# KiCad board yeti.kicad_pcb (continued)
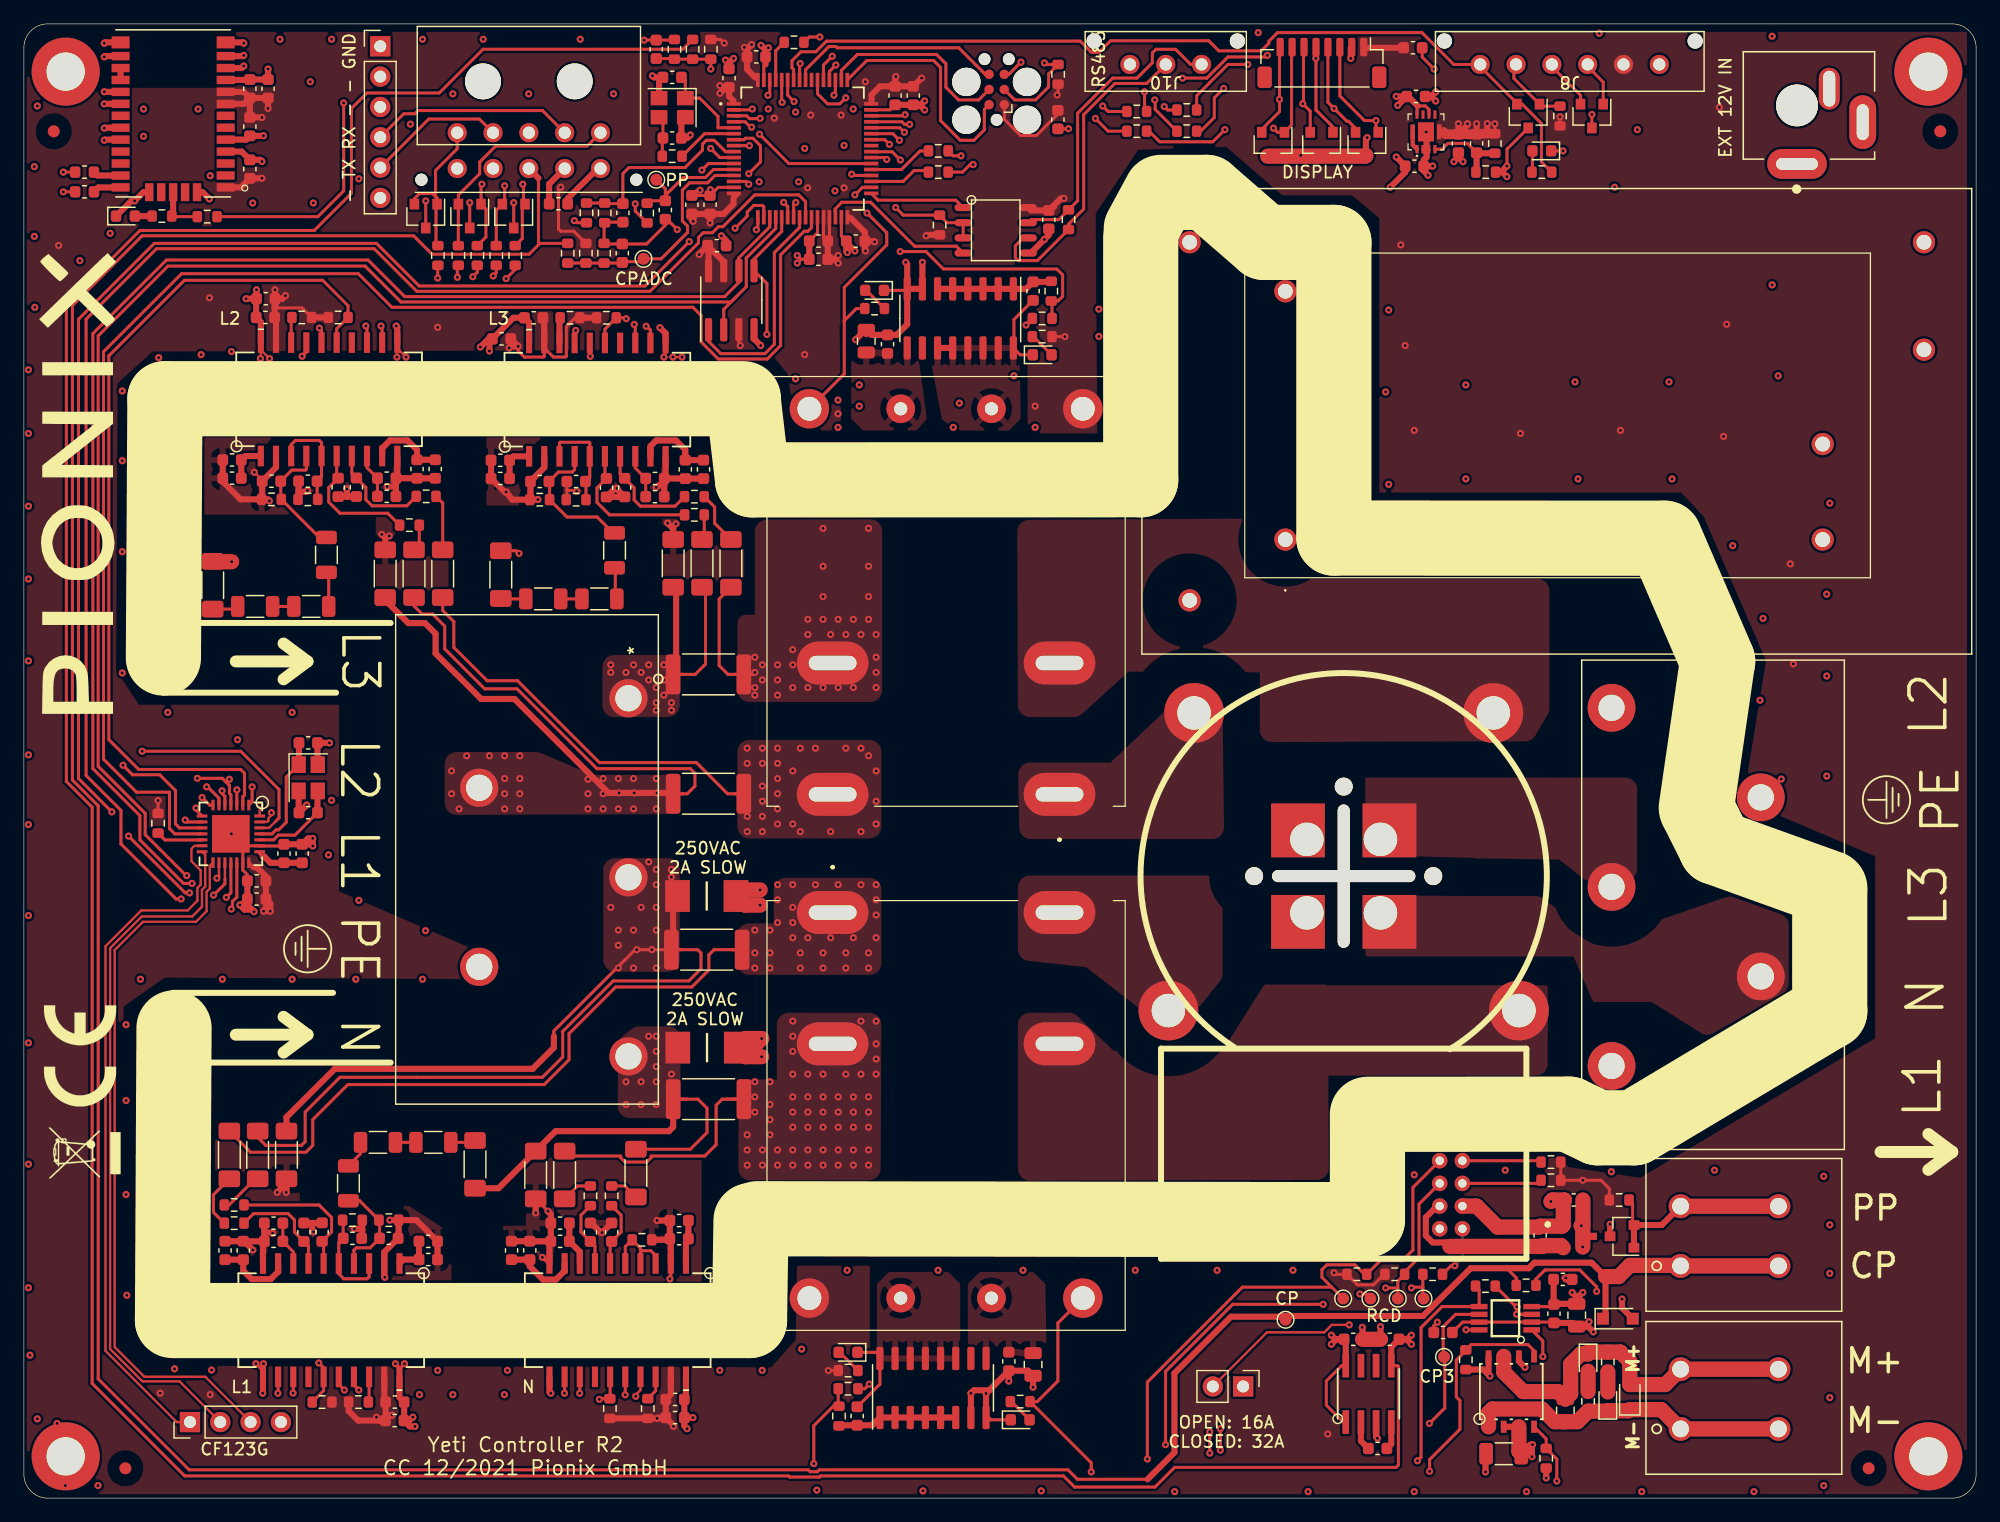
[diagram p0: board, top side]
## Copper pours and planes (outline as drawn; the poured copper is in the pictures) (continued)
/Power Meter/L2_OUT on 5_Signal_Pwr: 71.82,54.66 59.75,54.66 59.75,64.18 71.82,64.18
/Power Meter/L2_OUT on 6_GND: 71.82,54.66 59.75,54.66 59.75,64.18 71.82,64.18
/Power Meter/L2_OUT on 7_Signal_Pwr: 71.82,55.27 59.75,55.27 59.75,64.18 71.82,64.18
/Power Meter/L3_IN on 1_F_TOP_Signal_Pwr: 54.93,65.43 48.45,65.43 48.45,70.63 54.93,70.63
/Power Meter/L3_IN on 8_B_BOTTOM_GND: 54.93,65.43 48.45,65.43 48.45,70.63 54.93,70.63
/Power Meter/L3_IN on 2_GND: 54.93,65.43 48.45,65.43 48.45,71.55 54.93,71.55
/Power Meter/L3_IN on 3_VCC3V3: 54.93,65.43 48.45,65.43 48.45,71.55 54.93,71.55
/Power Meter/L3_IN on 4_GND: 54.93,65.43 48.45,65.43 48.45,71.55 54.93,71.55
/Power Meter/L3_IN on 5_Signal_Pwr: 54.93,65.43 48.45,65.43 48.45,71.55 54.93,71.55
/Power Meter/L3_IN on 6_GND: 54.93,65.43 48.45,65.43 48.45,71.55 54.93,71.55
/Power Meter/L3_IN on 7_Signal_Pwr: 54.93,65.43 48.45,65.43 48.45,71.55 54.93,71.55
/Power Meter/L3_OUT on 1_F_TOP_Signal_Pwr: 71.88,66.7 59.75,66.7 59.75,74 61.22,74 61.22,81.97 71.88,82
/Power Meter/L3_OUT on 8_B_BOTTOM_GND: 71.88,66.7 59.82,66.7 59.81,70.95 64.42,70.95 64.36,81.97 71.88,82
/Power Meter/L3_OUT on 2_GND: 71.88,66.21 59.82,66.21 59.85,73.11 61.52,73.11 61.42,81.97 71.88,82
/Power Meter/L3_OUT on 3_VCC3V3: 71.88,66.21 59.82,66.21 59.81,70.95 64.42,70.95 64.36,81.97 71.88,82
/Power Meter/L3_OUT on 4_GND: 71.88,66.21 59.82,66.21 59.81,70.95 64.42,70.95 64.36,81.97 71.88,82
/Power Meter/L3_OUT on 5_Signal_Pwr: 71.88,66.21 59.82,66.21 59.81,70.95 64.42,70.95 64.36,81.97 71.88,82
/Power Meter/L3_OUT on 6_GND: 71.88,66.21 59.82,66.21 59.81,70.95 64.42,70.95 64.36,81.97 71.88,82
/Power Meter/L3_OUT on 7_Signal_Pwr: 71.88,66.21 59.82,66.21 59.81,70.95 64.42,70.95 64.36,81.97 71.88,82
/Power Meter/N_IN on 1_F_TOP_Signal_Pwr: 54.99,31.83 49.72,31.83 49.78,38.44 51.18,39.52 54.99,39.52
/Power Meter/N_IN on 8_B_BOTTOM_GND: 54.99,35.14 53.47,35.14 53.47,32.22 49.74,32.22 49.78,38.69 51.18,39.77 54.99,39.77
/Power Meter/N_IN on 2_GND: 55.09,32.6 49.82,32.6 49.78,38.44 51.18,39.52 54.99,39.52
/Power Meter/N_IN on 3_VCC3V3: 54.99,35.14 52.83,35.14 52.88,34.12 49.74,34.12 49.78,38.69 51.18,39.77 54.99,39.77
/Power Meter/N_IN on 4_GND: 54.99,35.14 52.83,35.14 52.88,34.12 49.74,34.12 49.78,38.69 51.18,39.77 54.99,39.77
/Power Meter/N_IN on 5_Signal_Pwr: 54.99,35.14 52.83,35.14 52.88,34.12 49.74,34.12 49.78,38.69 51.18,39.77 54.99,39.77
/Power Meter/N_IN on 6_GND: 54.99,35.14 52.83,35.14 52.88,34.12 49.74,34.12 49.78,38.69 51.18,39.77 54.99,39.77
/Power Meter/N_IN on 7_Signal_Pwr: 54.99,35.14 53.44,35.14 53.49,32.28 49.74,32.22 49.78,38.69 51.18,39.77 54.99,39.77
/Power Meter/N_OUT on 1_F_TOP_Signal_Pwr: 71.76,26.63 59.82,26.63 59.88,35.07 63.06,35.07 63.06,40.66 71.82,40.66
/Power Meter/N_OUT on 8_B_BOTTOM_GND: 71.76,26.63 59.94,26.63 59.88,35.07 63.06,35.07 63.06,40.34 71.82,40.34
/Power Meter/N_OUT on 2_GND: 71.76,26.63 59.82,26.63 59.88,35.07 63.06,35.07 63.06,41.19 71.82,41.19
/Power Meter/N_OUT on 3_VCC3V3: 71.76,26.63 59.82,26.63 59.88,35.07 63.06,35.07 63.06,41.19 71.82,41.19
/Power Meter/N_OUT on 4_GND: 71.76,26.63 59.94,26.63 59.88,35.07 63.06,35.07 63.06,41.19 71.82,41.19
/Power Meter/N_OUT on 5_Signal_Pwr: 71.76,26.63 59.83,26.63 59.88,35.07 63.06,35.07 63.06,41.19 71.82,41.19
/Power Meter/N_OUT on 6_GND: 71.76,26.63 59.83,26.63 59.88,35.07 63.06,35.07 63.06,41.19 71.82,41.19
/Power Meter/N_OUT on 7_Signal_Pwr: 71.76,26.63 59.94,26.63 59.88,35.07 63.06,35.07 63.06,40.66 71.82,40.66
/Power Switch Relais/L1_OUT on 1_F_TOP_Signal_Pwr: 100.39,43.58 98.36,41.04 94.04,40.53 88.96,44.47 83.25,45.11 83.25,52.15 100.39,52.15
/Power Switch Relais/L1_OUT on 8_B_BOTTOM_GND: 99.06,32.22 81.53,32.22 81.41,52.12 99.06,52.12
/Power Switch Relais/L1_OUT on 2_GND, 3_VCC3V3, 4_GND: 100.39,43.2 98.11,40.09 93.47,40.15 89.03,44.03 83.31,44.03 83.25,52.66 100.39,52.66
/Power Switch Relais/L1_OUT on 5_Signal_Pwr, 6_GND, 7_Signal_Pwr: 99.06,32.22 81.53,32.22 81.41,52.66 99.06,52.66
/Power Switch Relais/L2_OUT on 1_F_TOP_Signal_Pwr: 100.52,55.2 83.38,55.2 83.25,61.62 91,61.62 95.82,66.19 100.39,66.19
/Power Switch Relais/L2_OUT on 8_B_BOTTOM_GND: 101.36,55.1 81.41,55.22 81.42,74.09 83.07,75.61 101.31,75.57
/Power Switch Relais/L2_OUT on 2_GND, 3_VCC3V3, 4_GND: 100.39,54.57 83.25,54.57 83.25,63.52 93.03,63.52 95.82,66.19 100.39,66.19
/Power Switch Relais/L2_OUT on 5_Signal_Pwr, 6_GND, 7_Signal_Pwr: 102.62,54.56 81.41,54.57 81.41,74.12 102.62,74.14
/Power Switch Relais/L3_OUT on 1_F_TOP_Signal_Pwr: 127.76,65.9 126.3,63.39 120.71,63.39 103.51,63.33 103.51,69.17 92.52,69.24 88.33,65.43 83.25,65.43 83.19,81.95 106.28,82.08 106.66,77 127.76,77.01
/Power Switch Relais/L3_OUT on 2_GND, 3_VCC3V3, 4_GND: 127.7,63.52 111.76,63.49 111.76,60.12 102.36,60.16 102.36,66.19 127.76,66.63
/Power Switch Relais/L3_OUT on 2_GND, 3_VCC3V3, 4_GND: 127.76,65.9 126.05,65.87 120.78,65.68 102.36,65.68 102.3,69.24 96.01,69.24 91.82,65.43 83.25,65.43 83.25,82 103.87,81.95 107.43,77.12 127.76,77.01
/Power Switch Relais/N_OUT on 1_F_TOP_Signal_Pwr: 127.62,35.39 109.25,35.39 109.28,26.66 83.25,26.6 83.25,40.66 87.95,40.66 91.25,37.49 100.39,37.49 104,43.22 108.95,43.22 110.22,40.68 127.62,40.68
/Power Switch Relais/N_OUT on 1_F_TOP_Signal_Pwr: 127.62,42.96 127.62,39.03 108.7,38.9 108.57,42.96
/Power Switch Relais/N_OUT on 2_GND, 3_VCC3V3, 4_GND: 110.11,44.03 111.54,43.52 128.14,43.52 128.14,39.03 101.85,41.49 103.51,44.03
/Power Switch Relais/N_OUT on 2_GND, 3_VCC3V3, 4_GND: 128.14,35.47 111.75,35.47 110.35,34.71 109.25,33.18 109.28,26.66 83.25,26.6 83.15,42.12 87.25,42.12 92.46,37.49 98.68,37.49 102.87,42.88 111.63,41.11 124.68,41.11 128.18,39.15
/Power Switch Relais/RELAIS1 on 1_F_TOP_Signal_Pwr: 78.42,10.94 71.44,10.94 71.44,18.94 78.42,18.94
/Power Switch Relais/RELAIS2 on 1_F_TOP_Signal_Pwr: 83.5,89.43 77.06,89.43 75.6,97.19 83.38,97.19

## Text on the board
B.Silkscreen: PE | L2 | L3 | L1 | N
User.Drawings: TODO: / - FAB layer
F.Silkscreen: L2 | CF123G | L1 | L3 | N | CPADC | PP | 250VAC / 2A SLOW | OPEN: 16A / CLOSED: 32A | CP | DISPLAY | RCD | CP3 | - TX RX - - GND | RS485 | EXT 12V IN | M+ | M- | Yeti Controller R2 / CC 12/2021 Pionix GmbH | PE
